# KiCad board k410t-devboard.kicad_pcb (continued)
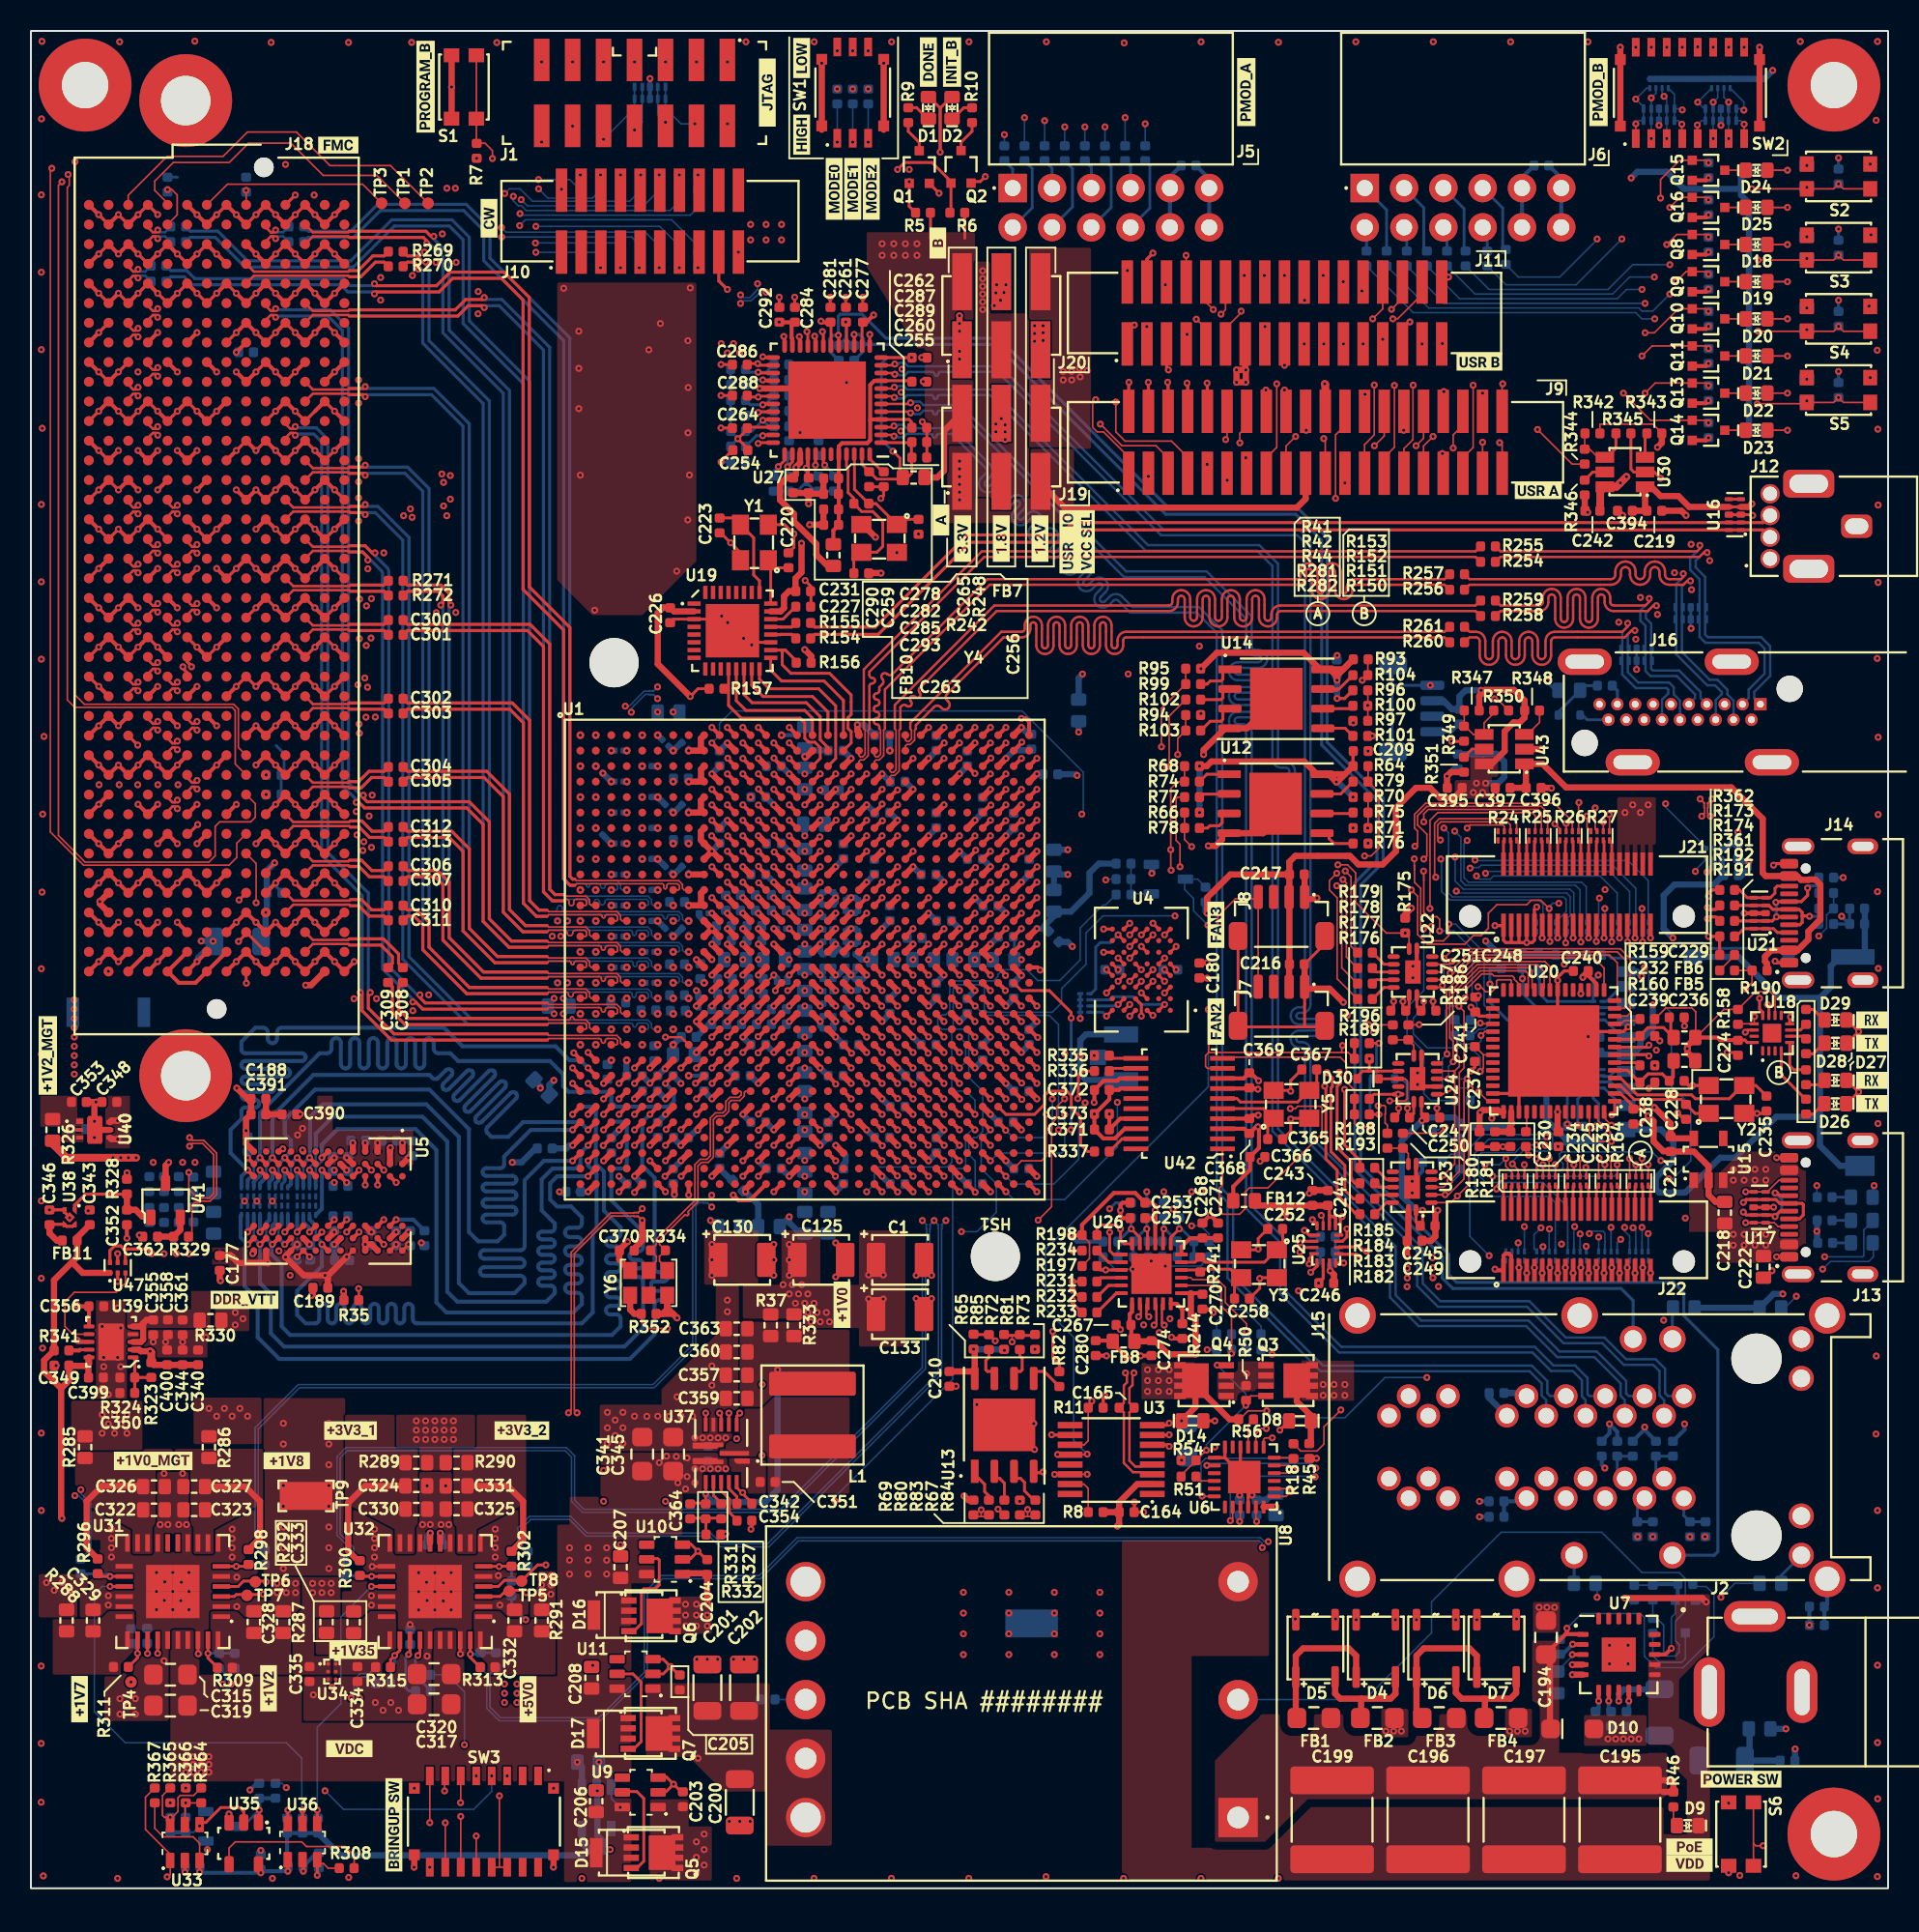
[diagram p0: board, top side]
## Routing (per net, layer and track width the routed paths; a pad name or vN(x,y) marks a point on that pad's centre or on a via; arc(x,y) is an arc through that point) (continued)
/DRAM + SRAM/DDR.DQ2: length 52.6
  Top w0.256: U1.AK6 v1(41,45) ; U5.C2 22.4,46.8 v1(22.8,46.4)
  In5.Cu w0.157: v1(22.8,46.4) 22.32,45.93 21.38,45.93 21.1,45.65 21.1,44.57 21.43,44.25 25.95,44.25 27.5,42.7 27.5,38.05 29.05,36.5 29.55,36.5 arc(29.71,36.57) 29.78,36.72 29.78,37.13 arc(29.84,37.28) 30,37.35 arc(30.16,37.28) 30.22,37.13 30.22,36.72 arc(30.29,36.57) 30.45,36.5 arc(30.61,36.57) 30.68,36.72 30.68,37.13 arc(30.74,37.28) 30.9,37.35 arc(31.06,37.28) 31.12,37.13 31.12,36.72 arc(31.19,36.57) 31.35,36.5 arc(31.51,36.57) 31.57,36.72 31.57,37.13 arc(31.64,37.28) 31.8,37.35 arc(31.96,37.28) 32.03,37.13 32.03,36.72 arc(32.09,36.57) 32.25,36.5 arc(32.41,36.57) 32.47,36.72 32.47,37.13 arc(32.54,37.28) 32.7,37.35 arc(32.86,37.28) 32.93,37.13 32.93,36.72 arc(32.99,36.57) 33.15,36.5 arc(33.31,36.57) 33.38,36.72 33.38,37.13 arc(33.44,37.28) 33.6,37.35 arc(33.76,37.28) 33.82,37.13 33.82,36.72 arc(33.89,36.57) 34.05,36.5 arc(34.21,36.57) 34.28,36.72 34.28,37.13 arc(34.34,37.28) 34.5,37.35 arc(34.66,37.28) 34.72,37.13 34.72,36.72 arc(34.79,36.57) 34.95,36.5 arc(35.11,36.57) 35.18,36.72 35.18,37.13 arc(35.24,37.28) 35.4,37.35 arc(35.56,37.28) 35.62,37.13 35.62,36.72 arc(35.69,36.57) 35.85,36.5 arc(36.01,36.57) 36.07,36.72 36.07,37.13 arc(36.14,37.28) 36.3,37.35 arc(36.46,37.28) 36.53,37.13 36.53,36.72 arc(36.59,36.57) 36.75,36.5 arc(36.91,36.57) 36.97,36.72 36.97,37.13 arc(37.04,37.28) 37.2,37.35 arc(37.36,37.28) 37.43,37.13 37.43,36.72 arc(37.49,36.57) 37.65,36.5 arc(37.81,36.57) 37.88,36.72 37.88,37.13 arc(37.94,37.28) 38.1,37.35 arc(38.26,37.28) 38.32,37.13 38.32,36.72 arc(38.39,36.57) 38.55,36.5 arc(38.71,36.57) 38.78,36.72 38.78,37.13 arc(38.84,37.28) 39,37.35 arc(39.16,37.28) 39.22,37.13 39.22,36.72 arc(39.29,36.57) 39.45,36.5 39.82,36.5 41,37.68 v1(41,45)
/DRAM + SRAM/DDR.DQ3: length 52.8
  Top w0.256: U1.AJ6 v1(40,47) ; v1(22.8,41.6) 22.4,42
  In5.Cu w0.157: v1(40,47) 40.32,47 40.82,47.5 42.26,47.5 42.5,47.26 42.5,45.57 42.9,45.17 42.9,36.13 40.78,34 37.55,34 arc(37.41,33.94) 37.35,33.8 37.35,33.42 arc(37.29,33.27) 37.15,33.22 arc(37.01,33.27) 36.95,33.42 36.95,33.8 arc(36.89,33.94) 36.75,34 arc(36.61,33.94) 36.55,33.8 36.55,33.42 arc(36.49,33.27) 36.35,33.22 arc(36.21,33.27) 36.15,33.42 36.15,33.8 arc(36.09,33.94) 35.95,34 arc(35.81,33.94) 35.75,33.8 35.75,33.42 arc(35.69,33.27) 35.55,33.22 arc(35.41,33.27) 35.35,33.42 35.35,33.8 arc(35.29,33.94) 35.15,34 arc(35.01,33.94) 34.95,33.8 34.95,33.42 arc(34.89,33.27) 34.75,33.22 arc(34.61,33.27) 34.55,33.42 34.55,33.8 arc(34.49,33.94) 34.35,34 arc(34.21,33.94) 34.15,33.8 34.15,33.42 arc(34.09,33.27) 33.95,33.22 arc(33.81,33.27) 33.75,33.42 33.75,33.8 arc(33.69,33.94) 33.55,34 arc(33.41,33.94) 33.35,33.8 33.35,33.42 arc(33.29,33.27) 33.15,33.22 arc(33.01,33.27) 32.95,33.42 32.95,33.8 arc(32.89,33.94) 32.75,34 arc(32.61,33.94) 32.55,33.8 32.55,33.42 arc(32.49,33.27) 32.35,33.22 arc(32.21,33.27) 32.15,33.42 32.15,33.8 arc(32.09,33.94) 31.95,34 arc(31.81,33.94) 31.75,33.8 31.75,33.42 arc(31.69,33.27) 31.55,33.22 arc(31.41,33.27) 31.35,33.42 31.35,33.8 arc(31.29,33.94) 31.15,34 arc(31.01,33.94) 30.95,33.8 30.95,33.42 arc(30.89,33.27) 30.75,33.22 arc(30.61,33.27) 30.55,33.42 30.55,33.8 arc(30.49,33.94) 30.35,34 arc(30.21,33.94) 30.15,33.8 30.15,33.42 arc(30.09,33.27) 29.95,33.22 arc(29.81,33.27) 29.75,33.42 29.75,33.8 arc(29.69,33.94) 29.55,34 28.6,34 24.95,37.65 24.95,39.45 v1(22.8,41.6)
/DRAM + SRAM/DDR.DQ4: length 52.1
  Top w0.256: U5.E3 v1(21.2,46.4) ; v1(41,48) U1.AG7
  In5.Cu w0.157: v1(41,48) 40.75,48 40.25,47.5 39.65,47.5 38.65,46.5 37.78,46.5 37.47,46.2 37.47,44.32 37.2,44.05 30.72,44.05 30.54,44.24 arc(30.48,44.38) 30.54,44.52 31.54,45.52 arc(31.6,45.67) 31.54,45.81 arc(31.4,45.87) 31.26,45.81 30.25,44.8 arc(30.11,44.74) 29.97,44.8 arc(29.91,44.94) 29.97,45.09 30.98,46.09 arc(31.03,46.23) 30.98,46.37 arc(30.83,46.43) 30.69,46.37 29.69,45.37 arc(29.55,45.31) 29.41,45.37 arc(29.35,45.51) 29.41,45.65 30.41,46.66 arc(30.47,46.8) 30.41,46.94 arc(30.27,47) 30.13,46.94 29.12,45.93 arc(28.98,45.88) 28.84,45.93 arc(28.78,46.08) 28.84,46.22 29.81,47.19 arc(29.87,47.33) 29.81,47.47 arc(29.67,47.53) 29.53,47.47 28.56,46.5 arc(28.42,46.44) 28.28,46.5 28.07,46.7 27.93,46.7 arc(27.78,46.76) 27.72,46.9 27.72,48.3 arc(27.67,48.44) 27.53,48.5 arc(27.38,48.44) 27.32,48.3 27.32,46.9 arc(27.27,46.76) 27.12,46.7 arc(26.98,46.76) 26.93,46.9 26.93,48.3 arc(26.87,48.44) 26.72,48.5 arc(26.58,48.44) 26.53,48.3 26.53,46.9 arc(26.47,46.76) 26.32,46.7 arc(26.18,46.76) 26.12,46.9 26.12,48.3 arc(26.07,48.44) 25.93,48.5 arc(25.78,48.44) 25.72,48.3 25.72,46.9 arc(25.67,46.76) 25.53,46.7 arc(25.38,46.76) 25.32,46.9 25.32,48.3 arc(25.27,48.44) 25.12,48.5 arc(24.98,48.44) 24.93,48.3 24.93,46.9 arc(24.87,46.76) 24.72,46.7 24.18,46.7 23.45,47.43 21.6,47.43 21.2,47.03 v1(21.2,46.4)
/DRAM + SRAM/DDR.DQ5: length 52.5
  Top w0.256: U1.AJ8 42.01,46.01 v1(42.01,46) ; 20.8,42 v1(21.2,42.4)
  In5.Cu w0.157: v1(21.2,42.4) 22.75,43.95 25.05,43.95 26.85,42.15 26.85,37.65 28.3,36.2 28.95,36.2 arc(29.09,36.14) 29.15,36 29.15,35.6 arc(29.21,35.46) 29.35,35.4 arc(29.49,35.46) 29.55,35.6 29.55,36 arc(29.61,36.14) 29.75,36.2 arc(29.89,36.14) 29.95,36 29.95,35.6 arc(30.01,35.46) 30.15,35.4 arc(30.29,35.46) 30.35,35.6 30.35,36 arc(30.41,36.14) 30.55,36.2 arc(30.69,36.14) 30.75,36 30.75,35.6 arc(30.81,35.46) 30.95,35.4 arc(31.09,35.46) 31.15,35.6 31.15,36 arc(31.21,36.14) 31.35,36.2 arc(31.49,36.14) 31.55,36 31.55,35.6 arc(31.61,35.46) 31.75,35.4 arc(31.89,35.46) 31.95,35.6 31.95,36 arc(32.01,36.14) 32.15,36.2 arc(32.29,36.14) 32.35,36 32.35,35.6 arc(32.41,35.46) 32.55,35.4 arc(32.69,35.46) 32.75,35.6 32.75,36 arc(32.81,36.14) 32.95,36.2 arc(33.09,36.14) 33.15,36 33.15,35.6 arc(33.21,35.46) 33.35,35.4 arc(33.49,35.46) 33.55,35.6 33.55,36 arc(33.61,36.14) 33.75,36.2 arc(33.89,36.14) 33.95,36 33.95,35.6 arc(34.01,35.46) 34.15,35.4 arc(34.29,35.46) 34.35,35.6 34.35,36 arc(34.41,36.14) 34.55,36.2 arc(34.69,36.14) 34.75,36 34.75,35.6 arc(34.81,35.46) 34.95,35.4 arc(35.09,35.46) 35.15,35.6 35.15,36 arc(35.21,36.14) 35.35,36.2 arc(35.49,36.14) 35.55,36 35.55,35.6 arc(35.61,35.46) 35.75,35.4 arc(35.89,35.46) 35.95,35.6 35.95,36 arc(36.01,36.14) 36.15,36.2 arc(36.29,36.14) 36.35,36 36.35,35.6 arc(36.41,35.46) 36.55,35.4 arc(36.69,35.46) 36.75,35.6 36.75,36 arc(36.81,36.14) 36.95,36.2 arc(37.09,36.14) 37.15,36 37.15,35.6 arc(37.21,35.46) 37.35,35.4 arc(37.49,35.46) 37.55,35.6 37.55,36 arc(37.61,36.14) 37.75,36.2 arc(37.89,36.14) 37.95,36 37.95,35.6 arc(38.01,35.46) 38.15,35.4 arc(38.29,35.46) 38.35,35.6 38.35,36 arc(38.41,36.14) 38.55,36.2 40.45,36.2 41.47,37.22 41.47,43.83 42.01,44.36 v1(42.01,46)
/DRAM + SRAM/DDR.DQ6: length 50
  Top w0.256: U5.D2 v1(22,46.4) ; U1.AK4 v1(38,45)
  In5.Cu w0.157: v1(22,46.4) 22.68,47.07 23.18,47.07 24.05,46.2 27.95,46.2 29.53,44.62 29.53,42.5 29.8,42.22 30.07,42.22 arc(30.22,42.28) 30.28,42.43 30.28,43.49 arc(30.33,43.63) 30.47,43.69 arc(30.62,43.63) 30.68,43.49 30.68,42.43 arc(30.73,42.28) 30.88,42.22 arc(31.02,42.28) 31.07,42.43 31.07,43.49 arc(31.13,43.63) 31.28,43.69 arc(31.42,43.63) 31.47,43.49 31.47,42.43 arc(31.53,42.28) 31.68,42.22 arc(31.82,42.28) 31.88,42.43 31.88,43.49 arc(31.93,43.63) 32.07,43.69 arc(32.22,43.63) 32.28,43.49 32.28,42.43 arc(32.33,42.28) 32.47,42.22 arc(32.62,42.28) 32.68,42.43 32.68,43.49 arc(32.73,43.63) 32.88,43.69 arc(33.02,43.63) 33.07,43.49 33.07,42.43 arc(33.13,42.28) 33.28,42.22 arc(33.42,42.28) 33.47,42.43 33.47,43.49 arc(33.53,43.63) 33.68,43.69 arc(33.82,43.63) 33.88,43.49 33.88,42.43 arc(33.93,42.28) 34.07,42.22 arc(34.22,42.28) 34.28,42.43 34.28,43.49 arc(34.33,43.63) 34.47,43.69 arc(34.62,43.63) 34.68,43.49 34.68,42.43 arc(34.73,42.28) 34.88,42.22 arc(35.02,42.28) 35.07,42.43 35.07,43.49 arc(35.13,43.63) 35.28,43.69 arc(35.42,43.63) 35.47,43.49 35.47,42.43 arc(35.53,42.28) 35.68,42.22 arc(35.82,42.28) 35.88,42.43 35.88,43.49 arc(35.93,43.63) 36.07,43.69 arc(36.22,43.63) 36.28,43.49 36.28,42.43 arc(36.33,42.28) 36.47,42.22 arc(36.62,42.28) 36.68,42.43 36.68,43.49 arc(36.73,43.63) 36.88,43.69 arc(37.02,43.63) 37.07,43.49 37.07,42.43 arc(37.13,42.28) 37.28,42.22 arc(37.42,42.28) 37.47,42.43 37.47,43.49 arc(37.53,43.63) 37.68,43.69 arc(37.82,43.63) 37.88,43.49 37.88,42.43 arc(37.93,42.28) 38.07,42.22 38.3,42.22 38.57,42.5 38.57,44.43 v1(38,45)
/DRAM + SRAM/DDR.DQ7: length 52
  Top w0.256: v1(41.04,49.02) 41.04,49.04 U1.AF7 ; v1(20.4,42.4) U5.E7
  In5.Cu w0.157: v1(41.04,49.02) 41.52,49.5 43.28,49.5 44.53,48.25 44.53,39.25 44.22,38.95 44.22,35.35 40.38,31.5 28.72,31.5 23.4,36.82 23.4,38.9 23.05,39.25 arc(22.83,39.34) 22.62,39.25 22.49,39.12 arc(22.28,39.03) 22.06,39.12 arc(21.98,39.33) 22.06,39.54 22.2,39.68 arc(22.29,39.89) 22.2,40.1 arc(21.99,40.19) 21.77,40.1 21.64,39.97 arc(21.43,39.88) 21.21,39.97 arc(21.13,40.18) 21.21,40.39 21.35,40.53 arc(21.44,40.74) 21.35,40.95 20.4,41.9 v1(20.4,42.4)
/DRAM + SRAM/DDR.DQS_N: length 53.5
  Top w0.225: v1(21.6,45.44) U5.D3
  Top w0.256: U1.AJ7 41,46 v1(40.97,46)
  In5.Cu w0.141: v1(40.97,46) 40.62,46.35 40.49,46.35 40.22,46.08 40.22,45.93 arc(40.28,45.78) 40.42,45.73 40.59,45.73 arc(40.73,45.67) 40.79,45.53 arc(40.73,45.38) 40.59,45.33 40.42,45.33 arc(40.28,45.27) 40.22,45.13 40.22,39.38 39.6,38.76 38.69,38.76 arc(38.34,38.91) 38.19,39.27 38.19,39.61 arc(38.13,39.75) 37.99,39.81 arc(37.85,39.75) 37.79,39.61 37.79,38.17 arc(37.65,37.82) 37.29,37.67 arc(36.94,37.82) 36.79,38.17 36.79,39.61 arc(36.73,39.75) 36.59,39.81 arc(36.45,39.75) 36.39,39.61 36.39,38.17 arc(36.25,37.82) 35.89,37.67 arc(35.54,37.82) 35.39,38.17 35.39,39.66 arc(35.33,39.8) 35.19,39.86 arc(35.05,39.8) 34.99,39.66 34.99,38.17 arc(34.85,37.82) 34.49,37.67 arc(34.14,37.82) 33.99,38.17 33.99,39.66 arc(33.93,39.8) 33.79,39.86 arc(33.65,39.8) 33.59,39.66 33.59,38.17 arc(33.45,37.82) 33.09,37.67 arc(32.74,37.82) 32.59,38.17 32.59,39.61 arc(32.53,39.75) 32.39,39.81 arc(32.25,39.75) 32.19,39.61 32.19,38.17 arc(32.05,37.82) 31.69,37.67 arc(31.34,37.82) 31.19,38.17 31.19,39.61 arc(31.13,39.75) 30.99,39.81 arc(30.85,39.75) 30.79,39.61 30.79,39.27 arc(30.65,38.91) 30.29,38.76 29.6,38.76 28.17,40.2 28.17,43.38 26.94,44.6 22.21,44.6 21.85,44.96 21.85,45.19 v1(21.6,45.44)
/DRAM + SRAM/DDR.DQS_P: length 53.3
  Top w0.225: v1(22.4,45.44) 22.4,46
  Top w0.256: U1.AH7 v1(41,47)
  In5.Cu w0.141: v1(41,47) 40.65,46.65 40.36,46.65 39.91,46.2 39.91,39.51 39.47,39.07 38.69,39.07 arc(38.55,39.13) 38.49,39.27 38.49,39.61 arc(38.35,39.97) 37.99,40.12 arc(37.64,39.97) 37.49,39.61 37.49,38.17 arc(37.43,38.03) 37.29,37.97 arc(37.15,38.03) 37.09,38.17 37.09,39.61 arc(36.95,39.97) 36.59,40.12 arc(36.24,39.97) 36.09,39.61 36.09,38.17 arc(36.03,38.03) 35.89,37.97 arc(35.75,38.03) 35.69,38.17 35.69,39.66 arc(35.55,40.02) 35.19,40.17 arc(34.84,40.02) 34.69,39.66 34.69,38.17 arc(34.63,38.03) 34.49,37.97 arc(34.35,38.03) 34.29,38.17 34.29,39.66 arc(34.15,40.02) 33.79,40.17 arc(33.44,40.02) 33.29,39.66 33.29,38.17 arc(33.23,38.03) 33.09,37.97 arc(32.95,38.03) 32.89,38.17 32.89,39.61 arc(32.75,39.97) 32.39,40.12 arc(32.04,39.97) 31.89,39.61 31.89,38.17 arc(31.83,38.03) 31.69,37.97 arc(31.55,38.03) 31.49,38.17 31.49,39.61 arc(31.35,39.97) 30.99,40.12 arc(30.64,39.97) 30.49,39.61 30.49,39.27 arc(30.43,39.13) 30.29,39.07 29.73,39.07 28.47,40.32 28.47,43.51 27.07,44.91 23.4,44.91 arc(23.28,44.96) 23.22,45.09 23.22,45.39 arc(23.17,45.52) 23.05,45.57 arc(22.93,45.52) 22.87,45.39 22.87,45.09 arc(22.82,44.96) 22.7,44.91 22.33,44.91 22.15,45.09 22.15,45.19 v1(22.4,45.44)
/DRAM + SRAM/DDR.ODT: length 50.8
  Top w0.256: v1(36,46) U1.AJ2 ; 19.2,47.6 v1(18.8,47.2)
  Bottom w0.15: 18.4,46.15 18.4,46.57 18.8,46.97 v1(18.8,47.2)
  Bottom w0.256: 18.4,45.3 18.4,46.15 ; v1(36,46) 34,46 33.55,45.55 33.55,44.5 34,44.05 34.9,44.05 35.6,43.35 35.6,42.97 arc(35.51,42.76) 35.3,42.68 34.81,42.68 arc(34.6,42.59) 34.51,42.38 arc(34.6,42.16) 34.81,42.07 35.3,42.07 arc(35.51,41.99) 35.6,41.78 arc(35.51,41.56) 35.3,41.47 34.81,41.47 arc(34.6,41.39) 34.51,41.18 arc(34.6,40.96) 34.81,40.88 35.3,40.88 arc(35.51,40.79) 35.6,40.57 arc(35.51,40.36) 35.3,40.28 34.81,40.28 arc(34.6,40.19) 34.51,39.97 arc(34.6,39.76) 34.81,39.68 35.3,39.68 arc(35.51,39.59) 35.6,39.38 arc(35.51,39.16) 35.3,39.07 34.81,39.07 arc(34.6,38.99) 34.51,38.78 arc(34.6,38.56) 34.81,38.47 35.3,38.47 arc(35.51,38.39) 35.6,38.18 35.6,37.75 35.05,37.2 26.85,37.2 26.2,37.85 26.2,47.7 24.85,49.05 19.8,49.05 18.8,48.05 v1(18.8,47.2)
/DRAM + SRAM/DDR.~{CAS}: length 45.7
  Top w0.256: v1(39.98,49) 40,49 U1.AF6 ; v1(18.8,46.4) U5.G3
  In7.Cu w0.15: 18.4,47.05 18.4,47.32
  In7.Cu w0.157: 18.4,47.05 18.4,46.8 v1(18.8,46.4) ; v1(39.98,49) 39.48,48.5 34.7,48.5 34.4,48.8 28.7,48.8 arc(28.54,48.87) 28.47,49.03 28.47,49.64 arc(28.41,49.8) 28.25,49.86 arc(28.09,49.8) 28.03,49.64 28.03,49.03 arc(27.96,48.87) 27.8,48.8 arc(27.64,48.87) 27.57,49.03 27.57,49.64 arc(27.51,49.8) 27.35,49.86 arc(27.19,49.8) 27.12,49.64 27.12,49.03 arc(27.06,48.87) 26.9,48.8 arc(26.74,48.87) 26.68,49.03 26.68,49.64 arc(26.61,49.8) 26.45,49.86 arc(26.29,49.8) 26.22,49.64 26.22,49.03 arc(26.16,48.87) 26,48.8 arc(25.84,48.87) 25.78,49.03 25.78,49.64 arc(25.71,49.8) 25.55,49.86 arc(25.39,49.8) 25.32,49.64 25.32,49.03 arc(25.26,48.87) 25.1,48.8 arc(24.94,48.87) 24.88,49.03 24.88,49.64 arc(24.81,49.8) 24.65,49.86 arc(24.49,49.8) 24.43,49.64 24.43,49.03 arc(24.36,48.87) 24.2,48.8 arc(24.04,48.87) 23.97,49.03 23.97,49.64 arc(23.91,49.8) 23.75,49.86 arc(23.59,49.8) 23.53,49.64 23.53,49.03 arc(23.46,48.87) 23.3,48.8 arc(23.14,48.87) 23.07,49.03 23.07,49.64 arc(23.01,49.8) 22.85,49.86 arc(22.69,49.8) 22.62,49.64 22.62,49.03 arc(22.56,48.87) 22.4,48.8 arc(22.24,48.87) 22.18,49.03 22.18,49.64 arc(22.11,49.8) 21.95,49.86 arc(21.79,49.8) 21.72,49.64 21.72,49.03 arc(21.66,48.87) 21.5,48.8 arc(21.34,48.87) 21.28,49.03 21.28,49.64 arc(21.21,49.8) 21.05,49.86 arc(20.89,49.8) 20.82,49.64 20.82,49.03 arc(20.76,48.87) 20.6,48.8 arc(20.44,48.87) 20.38,49.03 20.38,49.64 arc(20.31,49.8) 20.15,49.86 arc(19.99,49.8) 19.93,49.64 19.93,49.03 arc(19.86,48.87) 19.7,48.8 19.35,48.8 18.4,47.85 18.4,47.32
  Bottom w0.256: 18.4,43.5 18.8,43.9 v1(18.8,46.4)
/DRAM + SRAM/DDR.~{CS}: length 51.9
  Top w0.256: U1.AH1 v1(35,47) ; U5.H2 v1(18,47.2)
  Bottom w0.15: 17.6,46.15 17.6,46.65
  Bottom w0.256: v1(35,47) 33.15,47 31.9,45.75 31.9,41.5 arc(31.82,41.31) 31.62,41.22 29.29,41.22 arc(29.1,41.14) 29.02,40.95 arc(29.1,40.76) 29.29,40.68 31.62,40.68 arc(31.82,40.59) 31.9,40.4 arc(31.82,40.21) 31.62,40.12 29.29,40.12 arc(29.1,40.04) 29.02,39.85 arc(29.1,39.66) 29.29,39.57 31.62,39.57 arc(31.82,39.49) 31.9,39.3 31.9,39.1 31.25,38.45 28.3,38.45 27.65,39.1 27.65,48.55 25.55,50.65 18.85,50.65 18.03,49.82 18.03,47.22 v1(18,47.2) 17.6,46.8 17.6,46.65 ; 17.6,45.3 17.6,46.15
/DRAM + SRAM/DDR.~{RAS}: length 43.1
  Top w0.256: U1.AG5 v1(39,48) ; v1(20.4,45.6) 20,46
  In5.Cu w0.15: v1(20.4,45.6) 20,46 20,48.2
  In5.Cu w0.157: 20,48.2 20.6,48.8 20.98,48.8 arc(21.13,48.86) 21.18,49 21.18,49.14 arc(21.24,49.28) 21.38,49.34 arc(21.53,49.28) 21.58,49.14 21.58,49 arc(21.64,48.86) 21.78,48.8 arc(21.93,48.86) 21.98,49 21.98,49.14 arc(22.04,49.28) 22.18,49.34 arc(22.33,49.28) 22.38,49.14 22.38,49 arc(22.44,48.86) 22.58,48.8 arc(22.73,48.86) 22.78,49 22.78,49.14 arc(22.84,49.28) 22.98,49.34 arc(23.13,49.28) 23.18,49.14 23.18,49 arc(23.24,48.86) 23.38,48.8 arc(23.53,48.86) 23.58,49 23.58,49.14 arc(23.64,49.28) 23.78,49.34 arc(23.93,49.28) 23.98,49.14 23.98,49 arc(24.04,48.86) 24.18,48.8 arc(24.33,48.86) 24.38,49 24.38,49.14 arc(24.44,49.28) 24.58,49.34 arc(24.73,49.28) 24.78,49.14 24.78,49 arc(24.84,48.86) 24.98,48.8 arc(25.13,48.86) 25.18,49 25.18,49.14 arc(25.24,49.28) 25.38,49.34 arc(25.53,49.28) 25.58,49.14 25.58,49 arc(25.64,48.86) 25.78,48.8 arc(25.93,48.86) 25.98,49 25.98,49.14 arc(26.04,49.28) 26.18,49.34 arc(26.33,49.28) 26.38,49.14 26.38,49 arc(26.44,48.86) 26.58,48.8 arc(26.73,48.86) 26.78,49 26.78,49.14 arc(26.84,49.28) 26.98,49.34 arc(27.13,49.28) 27.18,49.14 27.18,49 arc(27.24,48.86) 27.38,48.8 arc(27.53,48.86) 27.58,49 27.58,49.14 arc(27.64,49.28) 27.78,49.34 arc(27.93,49.28) 27.98,49.14 27.98,49 arc(28.04,48.86) 28.18,48.8 29,48.8 30.3,47.5 30.98,47.5 arc(31.12,47.56) 31.18,47.7 31.18,48.05 arc(31.24,48.19) 31.38,48.25 arc(31.52,48.19) 31.58,48.05 31.58,46.7 arc(31.64,46.56) 31.78,46.5 arc(31.92,46.56) 31.98,46.7 31.98,48.05 arc(32.04,48.19) 32.18,48.25 arc(32.32,48.19) 32.38,48.05 32.38,46.7 arc(32.44,46.56) 32.58,46.5 arc(32.72,46.56) 32.78,46.7 32.78,48.05 arc(32.84,48.19) 32.98,48.25 arc(33.12,48.19) 33.18,48.05 33.18,46.7 arc(33.24,46.56) 33.38,46.5 arc(33.52,46.56) 33.58,46.7 33.58,48.05 arc(33.64,48.19) 33.78,48.25 arc(33.92,48.19) 33.98,48.05 33.98,46.7 arc(34.04,46.56) 34.18,46.5 arc(34.32,46.56) 34.38,46.7 34.38,47.3 arc(34.44,47.44) 34.58,47.5 38.5,47.5 v1(39,48)
/DRAM + SRAM/DDR.~{RESET}: length 42
  Top w0.256: v1(14,47.2) U5.N2 ; U1.AH4 v1(38,47)
  In7.Cu w0.157: v1(14,47.2) 13.57,46.78 13.57,45.62 14.03,45.18 20.68,45.18 21.43,45.93 23.12,45.93 23.68,46.47 25.1,46.47 arc(25.26,46.54) 25.32,46.7 25.32,47.21 arc(25.39,47.37) 25.55,47.43 arc(25.71,47.37) 25.78,47.21 25.78,45.74 arc(25.84,45.58) 26,45.52 arc(26.16,45.58) 26.22,45.74 26.22,47.21 arc(26.29,47.37) 26.45,47.43 arc(26.61,47.37) 26.68,47.21 26.68,45.74 arc(26.74,45.58) 26.9,45.52 arc(27.06,45.58) 27.12,45.74 27.12,47.21 arc(27.19,47.37) 27.35,47.43 arc(27.51,47.37) 27.57,47.21 27.57,45.74 arc(27.64,45.58) 27.8,45.52 arc(27.96,45.58) 28.03,45.74 28.03,47.21 arc(28.09,47.37) 28.25,47.43 arc(28.41,47.37) 28.47,47.21 28.47,45.74 arc(28.54,45.58) 28.7,45.52 arc(28.86,45.58) 28.93,45.74 28.93,46.25 arc(28.99,46.41) 29.15,46.47 37.47,46.47 v1(38,47)
/DRAM + SRAM/DDR.~{WE}: length 50.6
  Top w0.256: U1.AG2 v1(36,48) ; v1(18,46.4) U5.H3
  Bottom w0.15: v1(18,46.4) 18,46.57 18.4,46.97 18.4,47.45
  Bottom w0.256: 18.4,47.45 18.4,48.75 19.5,49.85 25.3,49.85 26.9,48.25 26.9,38.55 27.55,37.9 33.3,37.9 33.85,38.45 33.85,38.68 arc(33.78,38.85) 33.6,38.93 33.02,38.93 arc(32.85,39) 32.77,39.18 arc(32.85,39.35) 33.02,39.43 33.6,39.43 arc(33.78,39.5) 33.85,39.68 arc(33.78,39.85) 33.6,39.93 33.02,39.93 arc(32.85,40) 32.77,40.18 arc(32.85,40.35) 33.02,40.43 33.6,40.43 arc(33.78,40.5) 33.85,40.68 arc(33.78,40.85) 33.6,40.93 33.02,40.93 arc(32.85,41) 32.77,41.18 arc(32.85,41.35) 33.02,41.43 33.6,41.43 arc(33.78,41.5) 33.85,41.68 arc(33.78,41.85) 33.6,41.93 33.02,41.93 arc(32.85,42) 32.77,42.18 arc(32.85,42.35) 33.02,42.43 33.6,42.43 arc(33.78,42.5) 33.85,42.68 33.85,42.95 33,43.8 33,45.8 33.7,46.5 35.2,46.5 35.5,46.8 35.5,47.5 v1(36,48) ; 18,45.3 v1(18,46.4)
/DRAM + SRAM/DDR_ZQ: length 6
  Top w0.157: 21.19,38 21.19,38.74 v1(21.18,38.75)
  Top w0.256: 18.4,42 v1(18.8,42.4)
  In3.Cu w0.1: v1(18.8,42.4) 19.22,41.97 19.22,41.05 19.4,40.88
  In3.Cu w0.157: v1(21.18,38.75) 19.4,40.53 19.4,40.88
/DRAM + SRAM/SRAM.A0: length 13.4
  Top w0.184: U4.A3 72.45,56.4 v1(72.5,56.4)
  Top w0.256: v1(62.96,58) 62.96,58.04 U1.U28
  In5.Cu w0.1: v1(72.5,56.4) 72.5,57.85 72.12,58.22 72.12,58.79 71.94,58.97 69.82,58.97 69.57,58.72 65.68,58.72 65.36,58.4 63.36,58.4 v1(62.96,58)
/DRAM + SRAM/SRAM.A1: length 8.8
  Top w0.184: v1(71,56.35) 71.38,56.72
  Top w0.256: U1.V29 v1(64,57)
  In5.Cu w0.1: v1(71,56.35) 70.25,56.35 69.6,57 65.53,57 65.16,56.62 64.38,56.62 v1(64,57)
/DRAM + SRAM/SRAM.A2: length 14.3
  Top w0.184: 70.62,56.72 v1(71,57.1)
  Top w0.256: U1.T25 v1(60,59)
  In5.Cu w0.1: v1(71,57.1) 71,57.85 70.62,58.22 66.12,58.22 65.75,57.85 64.38,57.85 64.16,57.62 60.84,57.62 60.62,57.84 60.62,58.38 v1(60,59)
/DRAM + SRAM/SRAM.A3: length 12.5
  Top w0.184: U4.B3 v1(71.75,57.85)
  Top w0.256: v1(61,59) U1.T26
  In3.Cu w0.1: v1(71.75,57.85) 71.38,58.22 69.07,58.22 68.8,58.5 64.7,58.5 64.6,58.6 61.4,58.6 v1(61,59)
/DRAM + SRAM/SRAM.A4: length 19.3
  Top w0.184: 71.38,57.47 71.75,57.1 v1(71.75,56.35)
  Top w0.256: v1(54.97,57) 54.97,57.03 U1.V20
  In7.Cu w0.1: v1(54.97,57) 55.6,56.38 65.21,56.38 65.56,56.72 71.38,56.72 v1(71.75,56.35)
/DRAM + SRAM/SRAM.A5: length 18
  Top w0.184: U4.C3 v1(72.5,58.6)
  Top w0.256: U1.P27 v1(62,62)
  In3.Cu w0.1: v1(72.5,58.6) 72.88,58.97 72.88,60.47 73.62,61.22 73.62,62.54 73.06,63.1 68,63.1 67.25,62.35 65.18,62.35 65.13,62.4 62.78,62.4 62.38,62 v1(62,62)
/DRAM + SRAM/SRAM.A6: length 16.3
  Top w0.184: 71.38,58.22 v1(71.75,58.6)
  Top w0.256: U1.P28 v1(63,62)
  In3.Cu w0.1: v1(71.75,58.6) 72.12,58.97 72.12,60.47 72.88,61.22 72.88,62.54 72.69,62.72 68.19,62.72 67.44,61.97 65.94,61.97 65.46,61.5 63.5,61.5 v1(63,62)
/DRAM + SRAM/SRAM.A7: length 14.2
  Top w0.184: 71.38,58.97 v1(71,58.6)
  Top w0.256: U1.V24 v1(59,57)
  In7.Cu w0.1: v1(71,58.6) 70.62,58.97 65.75,58.97 64.25,57.47 59.47,57.47 v1(59,57)
/DRAM + SRAM/SRAM.A8: length 13.6
  Top w0.184: 72.88,61.97 v1(72.5,62.35)
  Top w0.256: U1.R26 v1(61,61)
  In5.Cu w0.1: v1(61,61) 61.39,61.39 65.73,61.39 67.06,62.72 72.12,62.72 v1(72.5,62.35)
/DRAM + SRAM/SRAM.A9: length 8.5
  Top w0.184: 72.12,61.97 v1(71.75,61.6)
  Top w0.256: U1.R30 v1(65,61)
  In3.Cu w0.1: v1(65,61) 65.53,61 66.12,61.6 69.5,61.6 69.88,61.97 71.38,61.97 v1(71.75,61.6)
/DRAM + SRAM/SRAM.A10: length 13.5
  Top w0.184: 71.38,61.97 v1(71,61.6)
  Top w0.256: U1.U27 v1(62,58)
  In7.Cu w0.1: v1(71,61.6) 71.38,61.22 71.38,59.91 71.16,59.7 71.14,59.72 69.34,59.72 69.32,59.7 65,59.7 64.44,59.14 64.44,58.79 64.15,58.5 62.5,58.5 v1(62,58)
/DRAM + SRAM/SRAM.A11: length 15.1
  Top w0.184: 70.62,61.97 v1(71,62.35)
  Top w0.256: U1.U25 v1(60,58)
  In7.Cu w0.1: v1(71,62.35) 70.25,62.35 68.29,60.39 60.59,60.39 60.5,60.3 60.5,58.5 v1(60,58)
/DRAM + SRAM/SRAM.A12: length 26.1
  Top w0.184: U4.G3 v1(72.5,61.6)
  Top w0.256: U1.V19 v1(54,57)
  In5.Cu w0.1: v1(72.5,61.6) 72.88,61.97 72.88,62.72 72.5,63.1 66.88,63.1 65.37,61.59 55.84,61.59 55.5,61.25 55.5,57.77 55.25,57.51 54.51,57.51 v1(54,57)
/DRAM + SRAM/SRAM.A13: length 11
  Top w0.184: 71.38,61.22 v1(71,60.85)
  Top w0.256: U1.T27 v1(62,59)
  In7.Cu w0.1: v1(62,59) 62.5,59.5 64.3,59.5 64.9,60.1 69.5,60.1 70.25,60.85 v1(71,60.85)
/DRAM + SRAM/SRAM.A14: length 20
  Top w0.184: 72.12,60.47 v1(71.75,60.85)
  Top w0.256: v1(57.97,57.98) 57.97,58.03 U1.U23
  In7.Cu w0.1: v1(71.75,60.85) 72.12,61.22 72.12,62.54 71.75,62.91 69.31,62.91 67.81,61.41 60.64,61.41 60.44,61.22 60.44,60.81 60,60.38 59.72,60.38 58.62,59.28 58.62,58.63 v1(57.97,57.98)
/DRAM + SRAM/SRAM.A15: length 7.4
  Top w0.184: 71.38,60.47 v1(71,60.1)
  Top w0.256: v1(65.21,59.33) 65.04,59.5 U1.T30
  In3.Cu w0.1: v1(71,60.1) 70.62,59.72 65.61,59.72 v1(65.21,59.33)
/DRAM + SRAM/SRAM.A16: length 25
  Top w0.184: 71.38,59.72 v1(71.75,59.35)
  Top w0.256: U1.W23 v1(58,56)
  In7.Cu w0.1: v1(58,56) 58.59,55.41 74.19,55.41 74.56,55.79 74.56,59.54 74.38,59.72 72.12,59.72 v1(71.75,59.35)
/DRAM + SRAM/SRAM.A17: length 20.9
  Top w0.184: U4.D3 v1(72.5,59.35)
  Top w0.256: U1.W24 v1(59,56)
  In7.Cu w0.1: v1(59,56) 59,55.97 59.36,55.61 65.39,55.61 65.56,55.79 73.62,55.79 74,56.16 74,58.6 73.62,58.97 72.88,58.97 v1(72.5,59.35)
/DRAM + SRAM/SRAM.A18: length 18.2
  Top w0.184: 73.62,61.97 v1(73.25,61.6)
  Top w0.256: v1(59.97,57.02) 59.97,57.03 U1.V25
  In5.Cu w0.1: v1(59.97,57.02) 59.62,57.36 59.62,59.22 59.97,59.57 64.22,59.57 64.74,60.09 65.91,60.09 67.05,61.22 72.88,61.22 v1(73.25,61.6)
/DRAM + SRAM/SRAM.A19: length 22.8
  Top w0.184: 69.88,61.97 v1(69.31,61.97)
  Top w0.256: U1.W26 v1(61,56)
  In5.Cu w0.1: v1(69.31,61.97) 67.44,61.97 65.84,60.38 56.65,60.38 56.57,60.3 56.57,57.09 57.29,56.38 60.62,56.38 v1(61,56)
/DRAM + SRAM/SRAM.CE2: length 16.3
  Top w0.184: U4.A6 v1(69.5,56.35)
  Top w0.256: U1.U22 v1(57,58)
  In5.Cu w0.1: v1(57,58) 56.97,57.97 56.97,57.18 57.53,56.62 63.89,56.62 64.11,56.4 65.4,56.4 65.6,56.6 69.25,56.6 v1(69.5,56.35)
  Bottom w0.184: v1(69.5,56.35) 69.25,56.6 68.4,56.6
/DRAM + SRAM/SRAM.DQ0: length 19.7
  Top w0.184: U4.C1 v1(73.25,57.85)
  Top w0.256: U1.V21 v1(56,57)
  In7.Cu w0.1: v1(73.25,57.85) 72.88,58.22 65.56,58.22 64.44,57.1 64.44,56.76 64.25,56.57 56.43,56.57 v1(56,57)
/DRAM + SRAM/SRAM.DQ1: length 11.2
  Top w0.184: U4.D2 v1(73.25,58.6)
  Top w0.256: U1.V30 v1(65,57)
  In7.Cu w0.1: v1(65,57) 65.47,57.47 73.44,57.47 73.62,57.66 73.62,58.22 v1(73.25,58.6)
/DRAM + SRAM/SRAM.DQ2: length 28.8
  Top w0.184: 72.88,59.72 v1(73.25,60.1)
  Top w0.256: U1.W21 v1(56,56)
  In7.Cu w0.1: v1(56,56) 56.5,55.5 56.5,54.8 56.9,54.4 65.67,54.4 66.87,53.2 71.58,53.2 72.09,53.71 73.24,53.71 74.94,55.41 74.94,59.72 74.56,60.1 v1(73.25,60.1)
/DRAM + SRAM/SRAM.DQ3: length 13.8
  Top w0.184: 73.62,60.47 v1(74,60.85)
  Top w0.256: U1.P29 v1(64,62)
  In5.Cu w0.1: v1(64,62) 64,62.1 64.44,62.54 65.75,62.54 66.69,63.47 72.69,63.47 74,62.16 v1(74,60.85)
